# Altium PCB Display_PCB.PcbDoc (part 3 of 3)
Units mil, origin at the board's own origin, x right, y up, seen from the top; angles counter-clockwise.
Board outline 5600 x 4000 mil, 4 copper layers (Top Layer, Plane(Gnd), Plane(PWR), Bottom Layer), stack 23.756 mil thick; 312 components, 321 nets, 831 pads, 288 vias.
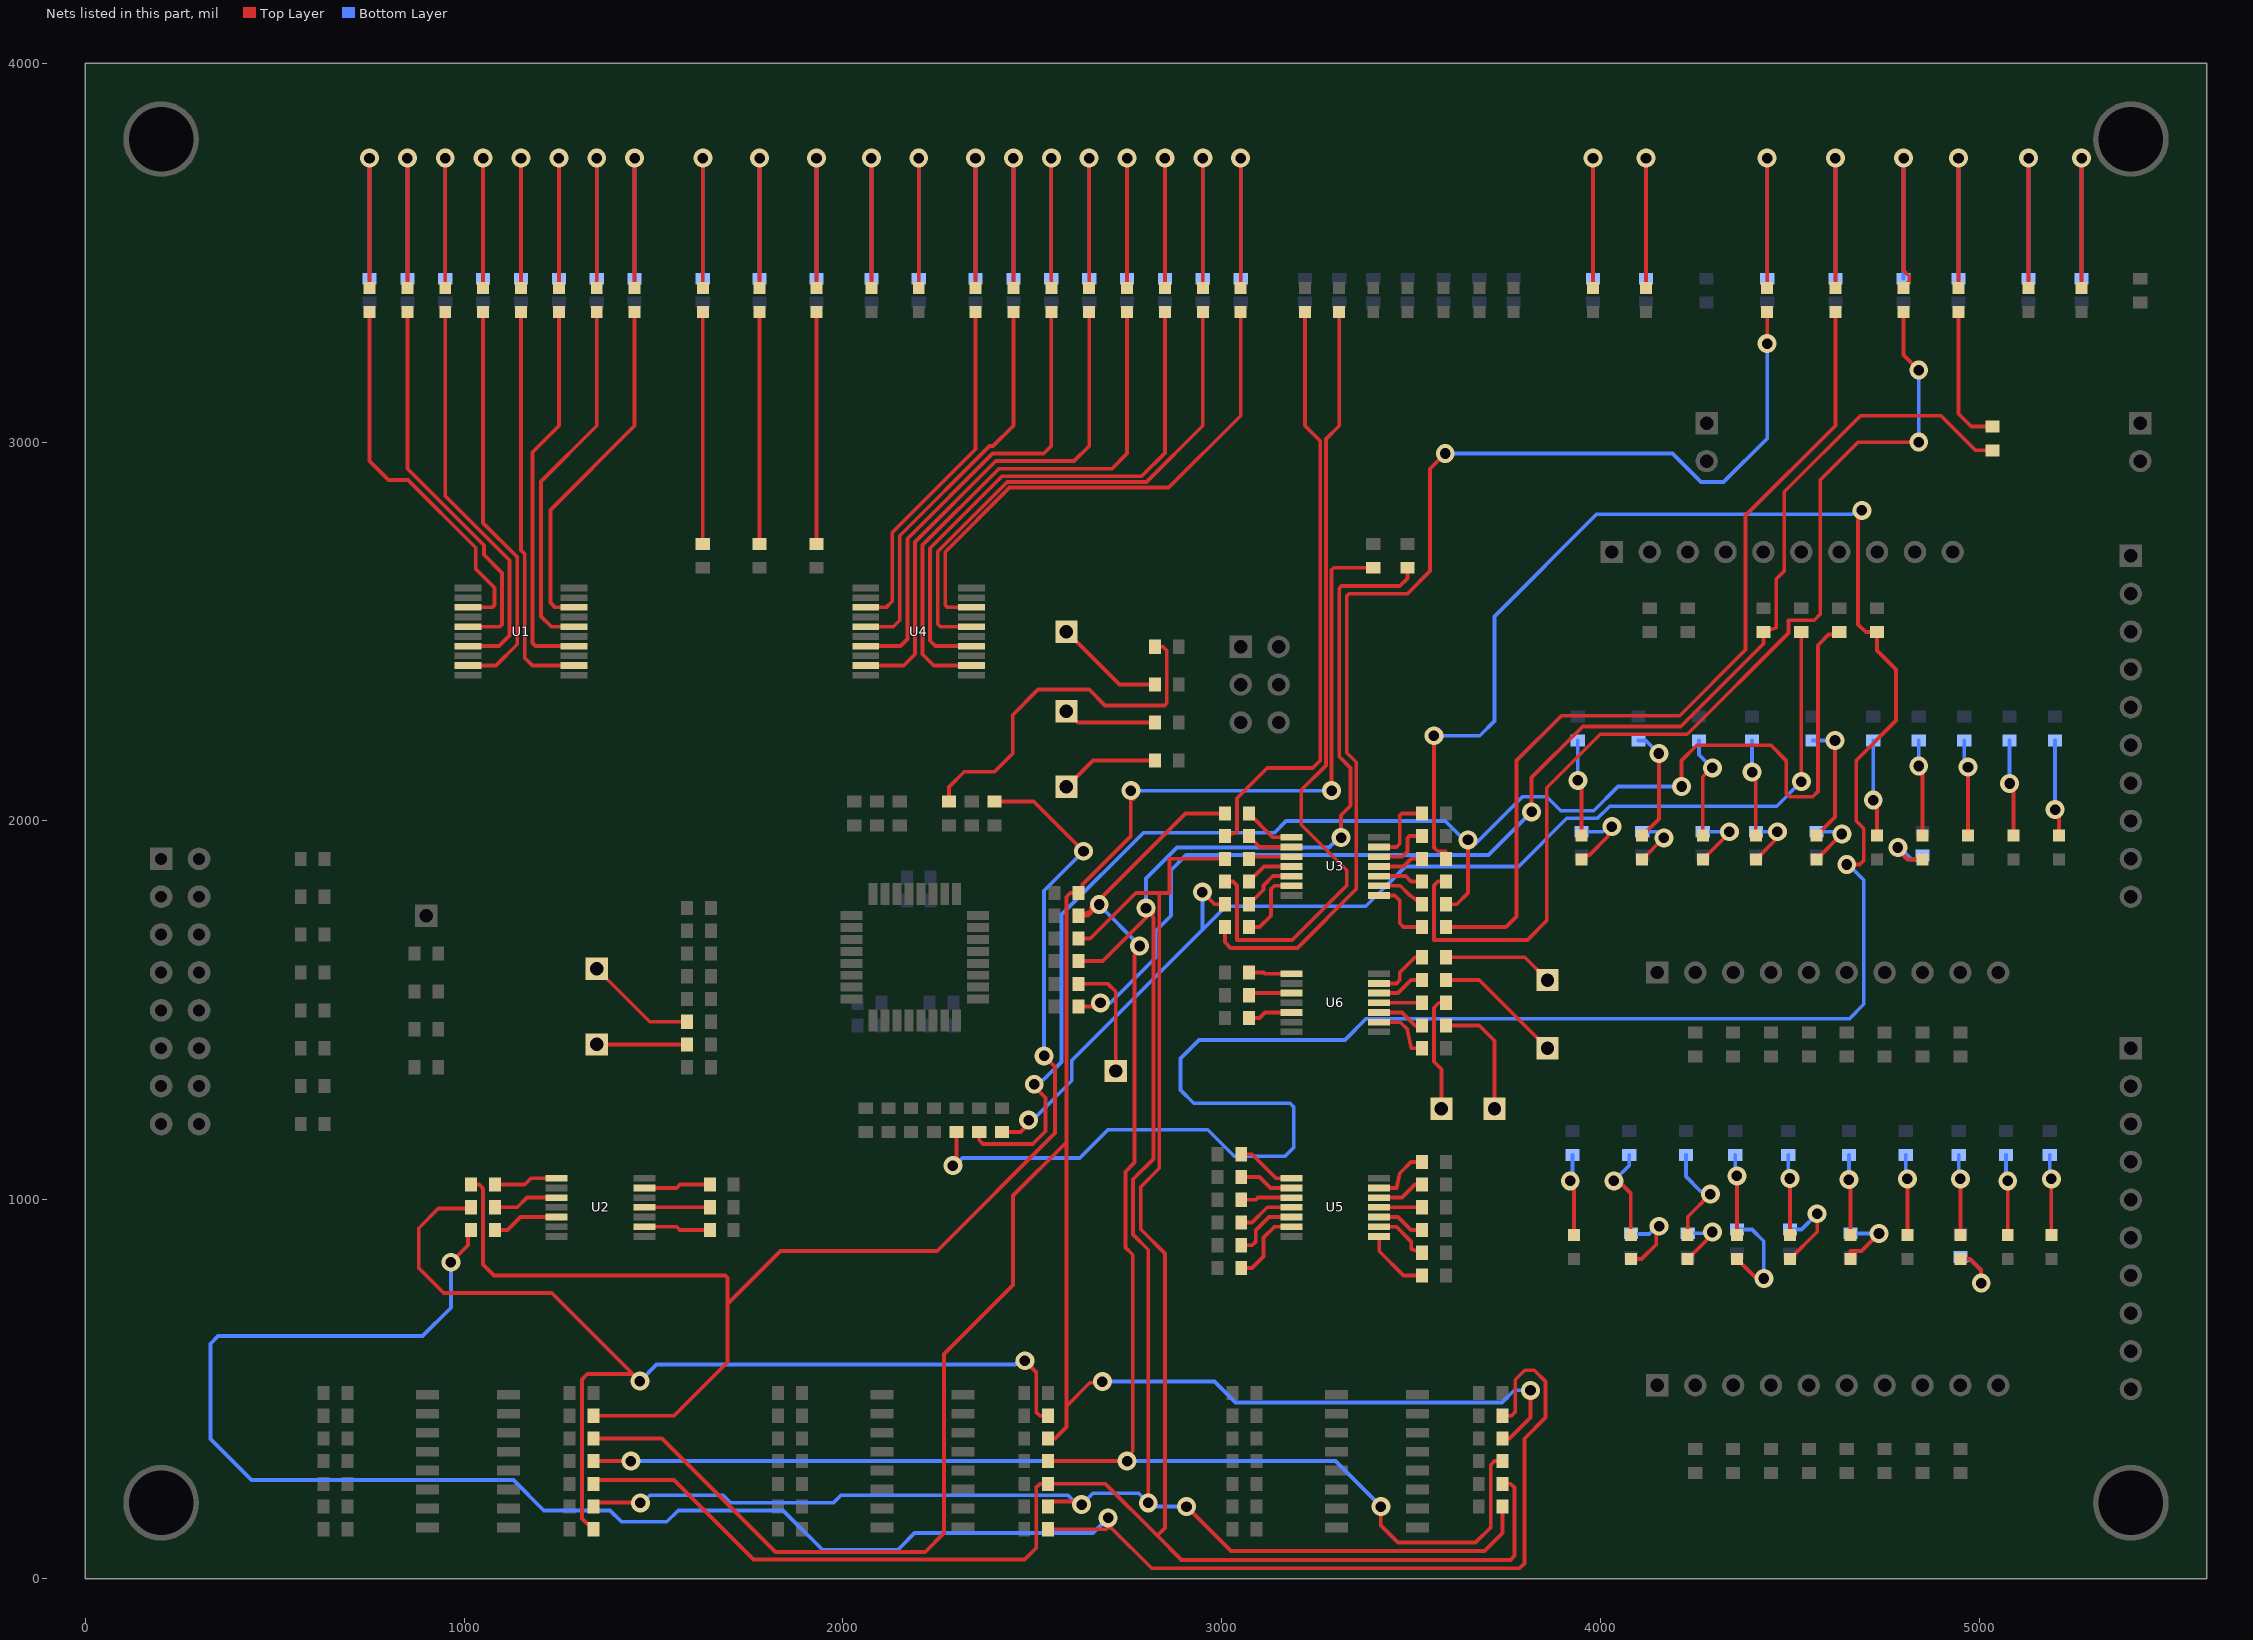
[diagram p5: the nets of this part, all layers, seen from the top]

## Via types
v1: diameter 50, hole 28, Top Layer to Bottom Layer, 288 vias

## Nets (pads, with @x,y where several pads share a name; then routed paths per layer and width w, separated by ;. In a path a pad name is that pad's centre, name@x,y a point inside that pad or via, vN(x,y) a via of type N, cw(c..) or ccw(c..) an arc to the next point about the centre after c; other vN are vias at no path point) (continued)
NetLED8_2: LED8.2 R123.1 | length 662
  Top Layer w10: LED8.2@3980,3406.5 v1(3980,3750)
  Bottom Layer w10: R123.1@3980,3431.5 v1(3980,3750)
NetLED9_2: LED9.2 R124.1 | length 662
  Top Layer w10: LED9.2@4120,3406.5 v1(4120,3750)
  Bottom Layer w10: R124.1@4120,3431.5 v1(4120,3750)
NetLED10_2: LED10.2 R125.1 | length 662
  Top Layer w10: LED10.2@4440,3406.5 v1(4440,3750)
  Bottom Layer w10: R125.1@4440,3431.5 v1(4440,3750)
NetLED11_2: LED11.2 R126.1 | length 662
  Top Layer w10: LED11.2@4620,3406.5 v1(4620,3750)
  Bottom Layer w10: R126.1@4620,3431.5 v1(4620,3750)
NetLED12_2: LED12.2 R127.1 | length 674.4
  Top Layer w10: LED12.2@4800,3406.5 4810.75,3417.24 4810.75,3421.03 4815,3425.28 4815,3438.21 4800,3453.21 v1(4800,3750)
  Bottom Layer w10: R127.1@4800,3431.5 v1(4800,3750)
NetLED13_1: LED13.1 R147.2 | length 372.4
  Top Layer w10: LED13.1@4945,3343.5 4945,3075 4978.5,3041.5 R147.2@5035,3041.5
NetLED13_2: LED13.2 R128.1 | length 666.2
  Top Layer w10: v1@4940,3750 4945,3745 LED13.2@4945,3406.5
  Bottom Layer w10: v1@4940,3750 4945,3745 R128.1@4945,3431.5
  other v1: 4945,3750
NetLED14_1: LED14.1 R142.2 | length 612
  Top Layer w10: R142.2@1930,2731.5 LED14.1@1930,3343.5
NetLED14_2: LED14.2 R129.1 | length 662
  Top Layer w10: LED14.2@1930,3406.5 v1(1930,3750)
  Bottom Layer w10: R129.1@1930,3431.5 v1(1930,3750)
NetLED15_1: LED15.1 R143.2 | length 612
  Top Layer w10: R143.2@1630,2731.5 LED15.1@1630,3343.5
NetLED15_2: LED15.2 R130.1 | length 662
  Top Layer w10: LED15.2@1630,3406.5 v1(1630,3750)
  Bottom Layer w10: R130.1@1630,3431.5 v1(1630,3750)
NetLED16_1: LED16.1 R145.2 | length 612
  Top Layer w10: R145.2@1780,2731.5 LED16.1@1780,3343.5
NetLED16_2: LED16.2 R131.2 | length 662
  Top Layer w10: LED16.2@1780,3406.5 v1(1780,3750)
  Bottom Layer w10: R131.2@1780,3431.5 v1(1780,3750)
NetLED17_2: LED17.2 R132.1 | length 666.2
  Top Layer w10: LED17.2@2075,3406.5 2075,3745 v1@2080,3750
  Bottom Layer w10: R132.1@2075,3431.5 2075,3745 v1@2080,3750
  other v1: 2075,3750
NetLED18_1: LED18.1 U1.18 | length 926.6
  Top Layer w10: U1.18@1289.76,2563.98 1240,2563.98 1227.59,2576.39 1227.59,2821.09 1450,3043.5 LED18.1@1450,3343.5
NetLED18_2: LED18.2 R134.1 | length 662
  Top Layer w10: LED18.2@1450,3406.5 v1(1450,3750)
  Bottom Layer w10: R134.1@1450,3431.5 v1(1450,3750)
NetLED19_1: LED19.1 U1.16 | length 962.3
  Top Layer w10: U1.16@1289.76,2512.8 1230.27,2512.8 1203.06,2540 1203.06,2896.57 1350,3043.5 LED19.1@1350,3343.5
NetLED19_2: LED19.2 R135.1 | length 662
  Top Layer w10: LED19.2@1350,3406.5 v1(1350,3750)
  Bottom Layer w10: R135.1@1350,3431.5 v1(1350,3750)
NetLED20_1: LED20.1 U1.14 | length 1015.7
  Top Layer w10: LED20.1@1250,3343.5 1250,3043.5 1180,2973.5 1180,2470 1188.39,2461.61 U1.14@1289.76,2461.61
NetLED20_2: LED20.2 R136.1 | length 662
  Top Layer w10: LED20.2@1250,3406.5 1250,3431.5 v1(1250,3750)
  Bottom Layer w10: R136.1@1250,3431.5 v1(1250,3750)
NetLED21_1: LED21.1 U1.12 | length 1055.3
  Top Layer w10: LED21.1@1150,3343.5 1150,2714.85 1160,2704.85 1160,2430.43 1180,2410.43 U1.12@1289.76,2410.43
NetLED21_2: LED21.2 R137.1 | length 662
  Top Layer w10: LED21.2@1150,3406.5 v1(1150,3750)
  Bottom Layer w10: R137.1@1150,3431.5 v1(1150,3750)
NetLED22_1: LED22.1 U1.9 | length 1067.2
  Top Layer w10: U1.9@1010.24,2410.43 1083.86,2410.43 1140,2466.57 1140,2696.57 1050,2786.57 LED22.1@1050,3343.5
NetLED22_2: LED22.2 R138.1 | length 662
  Top Layer w10: LED22.2@1050,3406.5 v1(1050,3750)
  Bottom Layer w10: R138.1@1050,3431.5 v1(1050,3750)
NetLED23_1: LED23.1 U1.7 | length 1045.4
  Top Layer w10: LED23.1@950,3343.5 950,2858.28 1120,2688.28 1120,2490 1091.61,2461.61 U1.7@1010.24,2461.61
NetLED23_2: LED23.2 R139.1 | length 662
  Top Layer w10: LED23.2@950,3406.5 v1(950,3750)
  Bottom Layer w10: R139.1@950,3431.5 v1(950,3750)
NetLED24_1: LED24.1 U1.5 | length 1020.6
  Top Layer w10: LED24.1@850,3343.5 850,2930 1052.01,2727.99 1052.01,2702.72 1100,2654.73 1100,2518.65 1094.14,2512.8 U1.5@1010.24,2512.8
NetLED24_2: LED24.2 R140.1 | length 662
  Top Layer w10: LED24.2@850,3406.5 v1(850,3750)
  Bottom Layer w10: R140.1@850,3431.5 v1(850,3750)
NetLED25_1: LED25.1 U1.3 | length 1012.8
  Top Layer w10: LED25.1@750,3343.5 750,2950 800,2900 851.72,2900 1030.62,2721.1 1030.62,2665 1080,2615.62 1080,2569.83 1074.14,2563.98 U1.3@1010.24,2563.98
NetLED25_2: LED25.2 R141.1 | length 662
  Top Layer w10: LED25.2@750,3406.5 v1(750,3750)
  Bottom Layer w10: R141.1@750,3431.5 v1(750,3750)
NetLED26_2: LED26.2 R133.1 | length 662
  Top Layer w10: LED26.2@2200,3406.5 v1(2200,3750)
  Bottom Layer w10: R133.1@2200,3431.5 v1(2200,3750)
NetLED27_2: LED27.2 R149.1 | length 662
  Top Layer w10: LED27.2@5270,3406.5 v1(5270,3750)
  Bottom Layer w10: R149.1@5270,3431.5 v1(5270,3750)
NetLED28_2: LED28.2 R150.2 | length 662
  Top Layer w10: LED28.2@5130,3406.5 v1(5130,3750)
  Bottom Layer w10: R150.2@5130,3431.5 v1(5130,3750)
NetLED29_2: LED29.2 R153.1 | length 218.5
  Top Layer w10: v1(3920,1050) 3920,1039.18 3930,1029.18 LED29.2@3930,906.5
  Bottom Layer w10: v1(3920,1050) 3925.75,1055.75 R153.1@3925.75,1118.5
NetLED30_1: LED30.1 R174.2 | length 217.5
  Top Layer w10: LED30.1@4080,843.5 4108.5,843.5 4146.85,881.85 4146.85,922.35 v1(4154.5,930)
  Bottom Layer w10: R174.2@4080,911.5 4081.57,909.92 4128.64,909.92 4148.72,930 v1(4154.5,930)
NetLED30_2: LED30.2 R154.1 | length 254.4
  Top Layer w10: v1(4035,1050) 4045.82,1050 4058.23,1037.59 4059.16,1037.59 4080,1016.75 LED30.2@4080,906.5
  Bottom Layer w10: v1(4035,1050) 4075.75,1090.75 R154.1@4075.75,1118.5
NetLED31_1: LED31.1 R175.2 | length 164.9
  Top Layer w10: LED31.1@4230,843.5 4295,908.5 v1(4295,915)
  Bottom Layer w10: R175.2@4230,911.5 4291.5,911.5 v1(4295,915)
NetLED31_2: LED31.2 R155.1 | length 274.2
  Top Layer w10: LED31.2@4230,906.5 4230,955 v1(4290,1015)
  Bottom Layer w10: R155.1@4225.75,1118.5 4225.75,1061 4264.09,1022.65 4282.35,1022.65 v1(4290,1015)
NetLED32_1: LED32.1 R176.2 | length 274.7
  Top Layer w10: LED32.1@4360,843.5 4411.5,792 v1(4431,792)
  Bottom Layer w10: R176.2@4360,921.5 4400,921.5 4431,890.5 v1(4431,792)
NetLED32_2: LED32.2 R156.1 | length 213.8
  Top Layer w10: LED32.2@4360,906.5 v1(4360,1063.25)
  Bottom Layer w10: R156.1@4355.75,1118.5 4355.75,1067.5 v1(4360,1063.25)
NetLED33_1: LED33.1 R179.2 | length 238.5
  Top Layer w10: LED33.1@4500,843.5 4572,915.5 v1(4572,963)
  Bottom Layer w10: R179.2@4500,921.5 4530.5,921.5 v1(4572,963)
NetLED33_2: LED33.2 R157.1 | length 213.8
  Top Layer w10: LED33.2@4500,906.5 v1(4500,1056)
  Bottom Layer w10: R157.1@4495.75,1118.5 4495.75,1060.25 v1(4500,1056)
NetLED34_1: LED34.1 R182.2 | length 191
  Top Layer w10: LED34.1@4660,843.5 4660,865 4689,865 v1(4735,911)
  Bottom Layer w10: R182.2@4660,911.5 4660,911 v1(4735,911)
NetLED34_2: LED34.2 R158.1 | length 213.8
  Top Layer w10: v1(4655.75,1053) 4660,1048.75 LED34.2@4660,906.5
  Bottom Layer w10: v1(4655.75,1053) R158.1@4655.75,1118.5
NetLED35_2: LED35.2 R159.1 | length 213.8
  Top Layer w10: LED35.2@4810,906.5 v1(4810,1055)
  Bottom Layer w10: R159.1@4805.75,1118.5 4805.75,1059.25 v1(4810,1055)
NetLED36_1: LED36.1 R187.2 | length 203.9
  Top Layer w10: LED36.1@4950,843.5 4975,843.5 5004.36,814.14 5004.36,780.64 v1(5005,780)
  Bottom Layer w10: R187.2@4950,848.5 4957.83,840.67 4977.83,840.67 5004.36,814.14 5004.36,780.64 v1(5005,780)
NetLED36_2: LED36.2 R160.1 | length 213.8
  Top Layer w10: LED36.2@4950,906.5 v1(4950,1055)
  Bottom Layer w10: R160.1@4945.75,1118.5 4945.75,1059.25 v1(4950,1055)
NetLED37_2: LED37.2 R161.1 | length 213.8
  Top Layer w10: LED37.2@5075,906.5 v1(5075,1050)
  Bottom Layer w10: R161.1@5070.75,1118.5 5070.75,1054.25 v1(5075,1050)
NetLED38_2: LED38.2 R162.1 | length 213.8
  Top Layer w10: LED38.2@5190,906.5 v1(5190,1055)
  Bottom Layer w10: R162.1@5185.75,1118.5 5185.75,1059.25 v1(5190,1055)
NetLED39_1: LED39.1 U4.18 | length 1415
  Top Layer w10: U4.18@2339.76,2563.98 2275.86,2563.98 2270,2569.83 2270,2710 2440,2880 2860,2880 3050,3070 LED39.1@3050,3343.5
NetLED39_2: LED39.2 R166.1 | length 662
  Top Layer w10: LED39.2@3050,3406.5 v1(3050,3750)
  Bottom Layer w10: R166.1@3050,3431.5 v1(3050,3750)
NetLED40_1: LED40.1 U4.16 | length 1421.6
  Top Layer w10: U4.16@2339.76,2512.8 2257.2,2512.8 2250,2520 2250,2711.21 2433.79,2895 2801.5,2895 2950,3043.5 LED40.1@2950,3343.5
NetLED40_2: LED40.2 R167.1 | length 662
  Top Layer w10: LED40.2@2950,3406.5 v1(2950,3750)
  Bottom Layer w10: R167.1@2950,3431.5 v1(2950,3750)
NetLED41_1: LED41.1 U4.14 | length 1455.8
  Top Layer w10: U4.14@2339.76,2461.61 2244.24,2461.61 2230,2475.86 2230,2720 2420,2910 2788.21,2910 2850,2971.79 LED41.1@2850,3343.5
NetLED41_2: LED41.2 R168.1 | length 662
  Top Layer w10: LED41.2@2850,3406.5 v1(2850,3750)
  Bottom Layer w10: R168.1@2850,3431.5 v1(2850,3750)
NetLED42_1: LED42.1 U4.12 | length 1443.9
  Top Layer w10: U4.12@2339.76,2410.43 2239.57,2410.43 2210,2440 2210,2728.28 2411.72,2930 2710,2930 2750,2970 LED42.1@2750,3343.5
NetLED42_2: LED42.2 R169.1 | length 662
  Top Layer w10: LED42.2@2750,3406.5 v1(2750,3750)
  Bottom Layer w10: R169.1@2750,3431.5 v1(2750,3750)
NetLED43_1: LED43.1 U4.9 | length 1357.1
  Top Layer w10: U4.9@2060.24,2410.43 2160.43,2410.43 2190,2440 2190,2736.57 2403.43,2950 2610,2950 2650,2990 LED43.1@2650,3343.5
NetLED43_2: LED43.2 R170.1 | length 662
  Top Layer w10: LED43.2@2650,3406.5 v1(2650,3750)
  Bottom Layer w10: R170.1@2650,3431.5 v1(2650,3750)
NetLED44_1: LED44.1 U4.7 | length 1217.3
  Top Layer w10: U4.7@2060.24,2461.61 2151.61,2461.61 2170,2480 2170,2744.85 2395.15,2970 2530,2970 2550,2990 LED44.1@2550,3343.5
NetLED44_2: LED44.2 R171.1 | length 662
  Top Layer w10: LED44.2@2550,3406.5 v1(2550,3750)
  Bottom Layer w10: R171.1@2550,3431.5 v1(2550,3750)
NetLED45_1: LED45.1 U4.5 | length 1040.3
  Top Layer w10: U4.5@2060.24,2512.8 2132.8,2512.8 2150,2530 2150,2753.14 2386.86,2990 2396.5,2990 2450,3043.5 LED45.1@2450,3343.5
NetLED45_2: LED45.2 R172.1 | length 662
  Top Layer w10: LED45.2@2450,3406.5 v1(2450,3750)
  Bottom Layer w10: R172.1@2450,3431.5 v1(2450,3750)
NetLED46_1: LED46.1 U4.3 | length 931
  Top Layer w10: U4.3@2060.24,2563.98 2113.98,2563.98 2130,2580 2130,2761.42 2350,2981.42 LED46.1@2350,3343.5
NetLED46_2: LED46.2 R173.1 | length 662
  Top Layer w10: LED46.2@2350,3406.5 v1(2350,3750)
  Bottom Layer w10: R173.1@2350,3431.5 v1(2350,3750)
NetLED47_1: LED47.1 R214.2 | length 210.2
  Top Layer w10: LED47.1@3950,1898.5 3960.75,1909.25 3969.25,1909.25 4019.22,1959.22 4019.22,1963.39 4030,1974.18 v1(4030,1985)
  Bottom Layer w10: R214.2@3950,1971.5 4005.67,1971.5 4019.18,1985 v1(4030,1985)
NetLED47_2: LED47.2 R192.1 | length 255.2
  Top Layer w10: v1(3940,2107) 3950,2097 LED47.2@3950,1961.5
  Bottom Layer w10: v1(3940,2107) R192.1@3940,2212.5
NetLED48_1: LED48.1 R215.2 | length 144.2
  Top Layer w10: LED48.1@4110,1898.5 v1(4167,1955.5)
  Bottom Layer w10: R215.2@4110,1971.5 4151,1971.5 v1(4167,1955.5)
NetLED48_2: LED48.2 R193.1 | length 303
  Top Layer w10: LED48.2@4110,1961.5 4154,2005.5 v1(4154,2178)
  Bottom Layer w10: R193.1@4100,2212.5 4119.5,2212.5 v1(4154,2178)
NetLED49_1: LED49.1 R216.2 | length 172
  Top Layer w10: LED49.1@4270,1898.5 4340,1968.5 v1(4340,1971.5)
  Bottom Layer w10: R216.2@4270,1971.5 v1(4340,1971.5)
NetLED49_2: LED49.2 R194.1 | length 276.9
  Top Layer w10: LED49.2@4270,1961.5 4270,2116.72 4293.28,2140 v1(4295,2140)
  Bottom Layer w10: R194.1@4260,2212.5 4260,2175 v1(4295,2140)
NetLED50_1: LED50.1 R217.2 | length 153.6
  Top Layer w10: LED50.1@4410,1898.5 4467,1955.5 v1(4467,1971.5)
  Bottom Layer w10: R217.2@4410,1971.5 v1(4467,1971.5)
NetLED50_2: LED50.2 R195.1 | length 255.2
  Top Layer w10: v1(4400,2129) 4410,2119 LED50.2@4410,1961.5
  Bottom Layer w10: v1(4400,2129) R195.1@4400,2212.5
NetLED51_1: LED51.1 R218.2 | length 164.2
  Top Layer w10: LED51.1@4570,1898.5 v1(4637,1965.5)
  Bottom Layer w10: R218.2@4570,1971.5 4631,1971.5 v1(4637,1965.5)
NetLED51_2: LED51.2 R196.1 | length 330.3
  Top Layer w10: LED51.2@4570,1961.5 4619,2010.5 v1(4619,2212.5)
  Bottom Layer w10: R196.1@4560,2212.5 v1(4619,2212.5)
NetLED52_2: LED52.2 R197.1 | length 255.2
  Top Layer w10: v1(4720,2055) 4730,2045 LED52.2@4730,1961.5
  Bottom Layer w10: v1(4720,2055) R197.1@4720,2212.5
NetLED53_1: LED53.1 R221.2 | length 164
  Top Layer w10: v1(4785,1930) 4785,1923.5 4810,1898.5 LED53.1@4850,1898.5
  Bottom Layer w10: v1(4785,1930) 4789.36,1930 4820.86,1898.5 4840,1898.5 R221.2@4850,1908.5
NetLED53_2: LED53.2 R198.1 | length 255.2
  Top Layer w10: v1(4840,2145) 4840,2134.18 4850,2124.18 LED53.2@4850,1961.5
  Bottom Layer w10: v1(4840,2145) R198.1@4840,2212.5
NetLED54_2: LED54.2 R199.1 | length 255.2
  Top Layer w10: LED54.2@4970,1961.5 v1(4970,2142)
  Bottom Layer w10: R199.1@4960,2212.5 4960,2152 v1(4970,2142)
NetLED55_2: LED55.2 R200.1 | length 255.2
  Top Layer w10: v1(5080,2099) 5090,2089 LED55.2@5090,1961.5
  Bottom Layer w10: v1(5080,2099) R200.1@5080,2212.5
NetLED56_2: LED56.2 R201.1 | length 255.2
  Top Layer w10: v1(5200,2030) 5210,2020 LED56.2@5210,1961.5
  Bottom Layer w10: v1(5200,2030) R201.1@5200,2212.5
NetR4_1: R4.1 TP2.1 | length 291.5
  Top Layer w10: TP2.1@2590,2500 2730,2360 R4.1@2823.5,2360
NetR5_2: R5.2 TP3.1 | length 262.5
  Top Layer w10: TP3.1@2590,2090 2660,2160 R5.2@2823.5,2160
NetR8_1: R8.1 TP4.1 | length 245.9
  Top Layer w10: TP4.1@2590,2290 2620,2260 R8.1@2823.5,2260
NetR34_2: R34.2 TP5.1 | length 316.8
  Top Layer w10: R34.2@2621.5,1570 2700,1570 2720,1550 TP5.1@2720,1340
NetR36_1: R36.1 TP6.1 | length 296.5
  Top Layer w10: TP6.1@1350,1610 1490,1470 R36.1@1588.5,1470
NetR38_1: R38.1 TP7.1 | length 238.5
  Top Layer w10: TP7.1@1350,1410 R38.1@1588.5,1410
NetR148_2: R148.2 U2.1 | length 169.8
  Top Layer w10: R148.2@1081.5,1040 1160,1040 1176.77,1056.77 U2.1@1244.33,1056.77
NetR151_2: R151.2 U2.3 | length 173.4
  Top Layer w10: R151.2@1081.5,980 1140,980 1165.59,1005.59 U2.3@1244.33,1005.59
NetR152_2: R152.2 U2.5 | length 177.1
  Top Layer w10: R152.2@1081.5,920 1114.41,920 1148.82,954.41 U2.5@1244.33,954.41
NetR163_2: R163.2 U2.9 | length 176.5
  Top Layer w10: U2.9@1475.67,928.82 1561.18,928.82 1570,920 R163.2@1648.5,920
NetR164_2: R164.2 U2.11 | length 172.8
  Top Layer w10: U2.11@1475.67,980 R164.2@1648.5,980
NetR165_2: R165.2 U2.13 | length 176.5
  Top Layer w10: U2.13@1475.67,1031.18 1561.18,1031.18 1570,1040 R165.2@1648.5,1040
NetR177_2: R177.2 U3.1 | length 139
  Top Layer w10: R177.2@3071.5,2020 3134.72,1956.77 U3.1@3184.33,1956.77
NetR178_1: R178.1 U3.2 | length 124.8
  Top Layer w10: R178.1@3071.5,1960 3100.31,1931.18 U3.2@3184.33,1931.18
NetR180_2: R180.2 U3.3 | length 115.1
  Top Layer w10: R180.2@3071.5,1900 3077.09,1905.59 U3.3@3184.33,1905.59
NetR181_1: R181.1 U3.4 | length 129.4
  Top Layer w10: R181.1@3071.5,1840 3111.5,1880 U3.4@3184.33,1880
NetR183_2: R183.2 U3.5 | length 150.4
  Top Layer w10: R183.2@3071.5,1780 3110,1818.5 3110,1830 3134.41,1854.41 U3.5@3184.33,1854.41
NetR184_1: R184.1 U3.6 | length 198.9
  Top Layer w10: R184.1@3071.5,1720 3100,1720 3130,1750 3130,1820 3138.82,1828.82 U3.6@3184.33,1828.82
NetR185_2: R185.2 U3.9 | length 131
  Top Layer w10: U3.9@3415.67,1828.82 3471.18,1828.82 3495.86,1804.14 R185.2@3528.5,1780
NetR186_1: R186.1 U3.8 | length 182.5
  Top Layer w10: U3.8@3415.67,1803.23 3456.77,1803.23 3470,1790 3470,1730 3480,1720 R186.1@3528.5,1720
NetR188_2: R188.2 U3.11 | length 121.1
  Top Layer w10: U3.11@3415.67,1880 3480,1880 3500,1900 R188.2@3528.5,1900
NetR189_1: R189.1 U3.10 | length 118.8
  Top Layer w10: U3.10@3415.67,1854.41 3485.59,1854.41 3500,1840 R189.1@3528.5,1840
NetR190_2: R190.2 U3.13 | length 193.1
  Top Layer w10: U3.13@3415.67,1931.18 3461.18,1931.18 3470,1940 3470,2014.14 3475.86,2020 R190.2@3528.5,2020
NetR191_1: R191.1 U3.12 | length 155.4
  Top Layer w10: U3.12@3415.67,1905.59 3475.59,1905.59 3490,1920 3490,1954.14 3495.86,1960 R191.1@3528.5,1960
NetR202_2: R202.2 U5.1 | length 159
  Top Layer w10: R202.2@3051.5,1120 3080,1120 3143.23,1056.77 U5.1@3184.33,1056.77
NetR203_1: R203.1 U5.2 | length 144.8
  Top Layer w10: R203.1@3051.5,1060 3100,1060 3128.82,1031.18 U5.2@3184.33,1031.18
NetR204_2: R204.2 U5.3 | length 135.1
  Top Layer w10: R204.2@3051.5,1000 3090,1000 3095.59,1005.59 U5.3@3184.33,1005.59
NetR205_1: R205.1 U5.4 | length 149.4
  Top Layer w10: R205.1@3051.5,940 3080,940 3120,980 U5.4@3184.33,980
NetR206_2: R206.2 U5.5 | length 181.2
  Top Layer w10: R206.2@3051.5,880 3080,880 3090,890 3090,920 3124.41,954.41 U5.5@3184.33,954.41
NetR207_1: R207.1 U5.6 | length 207.2
  Top Layer w10: R207.1@3051.5,820 3080,820 3110,850 3110,900 3138.82,928.82 U5.6@3184.33,928.82
NetR208_2: R208.2 U5.9 | length 150.6
  Top Layer w10: U5.9@3415.67,928.82 3461.18,928.82 3500,890 3500,870 R208.2@3528.5,860
NetR209_1: R209.1 U5.8 | length 178.6
  Top Layer w10: U5.8@3415.67,903.23 3415.67,900 3416,900 3416,864 3480,800 R209.1@3528.5,800
NetR210_2: R210.2 U5.11 | length 112.8
  Top Layer w10: U5.11@3415.67,980 R210.2@3528.5,980
NetR211_1: R211.1 U5.10 | length 127.1
  Top Layer w10: U5.10@3415.67,954.41 3465.59,954.41 3500,920 R211.1@3528.5,920
NetR212_2: R212.2 U5.13 | length 156.2
  Top Layer w10: U5.13@3415.67,1031.18 3461.18,1031.18 3470,1070 3500,1100 R212.2@3528.5,1100
NetR213_1: R213.1 U5.12 | length 127.1
  Top Layer w10: U5.12@3415.67,1005.59 3475.59,1005.59 3510,1040 R213.1@3528.5,1040
NetR219_2: R219.2 U6.1 | length 114.2
  Top Layer w10: R219.2@3071.5,1600 3110,1600 3113.23,1596.77 U6.1@3184.33,1596.77
NetR220_2: R220.2 U6.3 | length 115.1
  Top Layer w10: R220.2@3071.5,1540 3077.09,1545.59 U6.3@3184.33,1545.59
NetR222_2: R222.2 U6.5 | length 118.8
  Top Layer w10: R222.2@3071.5,1480 3100,1480 3114.41,1494.41 U6.5@3184.33,1494.41
NetR223_2: R223.2 U6.9 | length 161.6
  Top Layer w10: U6.9@3415.67,1468.82 3471.18,1468.82 3490,1450 3500,1400 R223.2@3528.5,1400
NetR224_1: R224.1 TP8.1 | length 312.2
  Top Layer w10: TP8.1@3580,1240 3580,1344.37 3560,1364.37 3560,1507 3573,1520 R224.1@3591.5,1520
NetR224_2: R224.2 U6.11 | length 112.8
  Top Layer w10: U6.11@3415.67,1520 R224.2@3528.5,1520
NetR225_1: R225.1 U6.10 | length 127.1
  Top Layer w10: U6.10@3415.67,1494.41 3475.59,1494.41 3510,1460 R225.1@3528.5,1460
NetR225_2: R225.2 TP9.1 | length 325.1
  Top Layer w10: R225.2@3591.5,1460 3680,1460 3720,1420 TP9.1@3720,1240
NetR226_1: R226.1 TP10.1 | length 293.4
  Top Layer w10: R226.1@3591.5,1640 3800,1640 TP10.1@3860,1580
NetR226_2: R226.2 U6.13 | length 153.1
  Top Layer w10: U6.13@3415.67,1571.18 3461.18,1571.18 3470,1580 3470,1600 3510,1640 R226.2@3528.5,1640
NetR227_1: R227.1 U6.12 | length 127.1
  Top Layer w10: U6.12@3415.67,1545.59 3465.59,1545.59 3500,1580 R227.1@3528.5,1580
NetR227_2: R227.2 TP11.1 | length 343.1
  Top Layer w10: R227.2@3591.5,1580 3680,1580 TP11.1@3860,1400
nOE: R26.2 R60.1 R87.1 R105.1 R144.1 | length 6765.9
  Top Layer w10: R87.1@1341.5,370 1522,370 1822,70 2217,70 2267,120 2267,593 2449,775 2449,1011 2590,1152 ; R60.1@2541.5,370 2560,370 2590,400 2590,455 ; v1(2685,520) 2681.72,516.72 2651.72,516.72 2590,455 ; v1@2767.82,2057.15 2767.82,2061.13 2767.05,2062.97 v1(2760,2080) 2760,1960 2632.24,1832.24 2632.24,1820.75 R26.2@2621.5,1810 2600,1810 2590,1800 2590,1152 ; v1(3290,2080) 3290,2662.65 3295.86,2668.5 R144.1@3400,2668.5 ; R105.1@3741.5,370 3760,370 3815,425 v1(3815,497) ; 2590,455 2590,1152
  Bottom Layer w10: v1(2685,520) 2981,520 3036,465 3740,465 3772,497 v1(3815,497) ; v1(2760,2080) v1(3290,2080)
RCLK: R28.2 R64.1 R90.1 R108.1 R177.1 | length 5030.9
  Top Layer w10: R90.1@1341.5,310 v1(1440,310) ; R64.1@2541.5,310 v1(2750,310) 2750,320.82 2765,335.82 2765,855 2746,874 2746,1074 2770,1098 2770,1646.18 2783,1659.18 v1(2783,1670) ; v1(2676.5,1779.5) v1@2660.72,1763.72 ; R177.1@3008.5,2020 2904.44,2020 2654.44,1770 v1@2660.72,1763.72 ; v1(3420,190) 3420,140 3465,95 3670,95 3710,135 3710,300 3720,310 R108.1@3741.5,310 ; v1@2660.72,1763.72 2647,1750 R28.2@2621.5,1750 v1@2660.72,1763.72
  Bottom Layer w10: v1(1440,310) v1(2750,310) 3300,310 v1(3420,190) ; v1(2676.5,1779.5) 2676.5,1778 2783,1671.5 v1(2783,1670)
SCLK: R30.2 R68.1 R93.1 R110.1 R180.1 | length 5281.3
  Top Layer w10: R93.1@1341.5,250 1351.5,260 1554,260 1764,50 2480,50 2510,80 2510,240 2520,250 R68.1@2541.5,250 2693,250 2829.64,113.36 ; R30.2@2621.5,1690 2653,1690 2773,1810 2835,1810 ; R180.1@3008.5,1900 2862,1900 2862,1810 2835,1810 ; R110.1@3741.5,250 3763,250 3773,240 3773,60 3762,49 2894,49 2829.64,113.36 ; 2829.64,113.36 2850,133.72 2850,858 2786,922 2786,1034 2835,1083 2835,1810
SCLR: R32.2 R72.1 R96.1 R112.1 R146.1 | length 6127.2
  Top Layer w10: R96.1@1341.5,190 1341.5,190.33 1352.24,201.08 1463.92,201.08 v1(1465,200) ; R72.1@2541.5,190 2541.5,192.95 2552.24,203.7 2610.48,203.7 2619.18,195 v1(2630,195) ; R32.2@2621.5,1630 2686,1630 v1@2818,1762 ; v1(2800,1770) 2810,1770 2820,1760 2817.65,1757.65 2817.65,1746.49 2820,1744.14 2820,1108 2766,1054 2766,908 2806,868 v1(2806,200) ; v1(2907,190) 3024.5,72.5 3693.99,72.5 3741.5,120 R112.1@3741.5,190 ; v1(3315,1956) 3315,2015 3340,2040 3340,2140 3310,2170 3310,2614.14 3315.86,2620 3470,2620 3490,2640 R146.1@3490,2668.5
  Bottom Layer w10: v1(1465,200) 1470.86,200 1490.86,220 1683.29,220 1703.29,200 1975,200 1995,220 2594.18,220 2619.18,195 v1(2630,195) 2660,225 2781,225 v1(2806,200) v1@2801,195 ; v1(2800,1770) 2800,1848 2882,1930 3283.36,1930 3309.36,1956 v1(3315,1956) ; v1@2801,190 v1(2907,190)
SER_Data_0: R22.2 R84.1 R148.1 | length 3671.7
  Top Layer w10: R148.1@1018.5,1040 1040,1040 1050,1030 1050,829 1079,800 1689.14,800 1695,794.14 1695,724.57 ; R84.1@1341.5,430 1554,430 1695,571 1695,724.57 ; R22.2@2400,2051.5 2503.5,2051.5 v1(2635,1920) ; v1(2531,1380) 2560,1351 2560,1176 2249,865 1835.43,865 1695,724.57
  Bottom Layer w10: v1(2531,1380) 2531,1816 v1(2635,1920)
SER_Data_1: R56.1 R107.2 R151.1 | length 2747.1
  Top Layer w10: R151.1@1018.5,980 1015.12,976.61 931.61,976.61 880,925 880,820 946,754 1231,754 1445,540 ; R107.2@1341.5,130 1341.5,132.95 1330.75,143.7 1325.86,143.7 1313.68,155.88 1310.75,158.81 1310.75,508.39 1310.75,525.86 1324.89,540 1445,540 ; v1(1464,521) 1445,540 ; v1(2480,575) 2510,545 2510,440 2520,430 R56.1@2541.5,430
  Bottom Layer w10: v1(1464,521) 1508,565 2454.14,565 2456.49,567.35 2472.35,567.35 v1(2480,575)
SER_Data_2: R80.2 R103.1 R152.1 | length 5768
  Top Layer w10: v1(965,835) 1010,880 1010,911.5 R152.1@1018.5,920 ; R80.2@2541.5,130 2695,130 2700,135 ; v1(2700,160) 2700,135 ; R103.1@3741.5,430 3765,430 3775,440 3775,525 3800,550 3825,550 3855,520 3855,425 3799,369 3799,40 3786,27 2815,27 2707,135 2700,135
  Bottom Layer w10: v1(965,835) 965,715 890,640 350,640 330,620 330,368.43 438.43,260 1130,260 1210,180 1385,180 1415,150 1535,150 1565,180 1841.5,180 1946.5,75 2144.14,75 2150,80.86 ; 2150,80.88 2189.12,120 2660,120 v1(2700,160)
Ser_RCLK: LED1.1 R178.2 | length 1584.5
  Top Layer w10: R178.2@3008.5,1960 3040,1970 3040,2060 3120,2140 3240,2140 3260,2160 3260,3003.5 3220,3043.5 LED1.1@3220,3343.5
Ser_SCLK: LED2.1 R181.2 | length 2133.9
  Top Layer w10: R181.2@3008.5,1840 3030,1840 3040,1830 3040,1686 3186,1686 3330,1830 3330,1870 3210,1990 3210,2081.72 3275,2146.72 3275,3008.5 3310,3043.5 LED2.1@3310,3343.5
SPI_LED_MISO: LED11.1 R186.2 | length 2325.4
  Top Layer w10: R186.2@3591.5,1720 3750,1720 3778,1748 3778,2159.45 3896.55,2278 4209,2278 4383,2452 4383,2806.5 4620,3043.5 LED11.1@4620,3343.5
SPI_LED_MOSI: LED12.1 R189.2 | length 2796.8
  Top Layer w10: R189.2@3591.5,1840 3570,1840 3560,1830 3560,1686 3807,1686 3858,1737 3858,2087.81 3999.19,2229 4229,2229 4496,2496 4496,2530 4564,2530 4580,2546 4580,2900 4680,3000 v1(4840,3000) ; LED12.1@4800,3343.5 4800,3230 v1(4840,3190)
  Bottom Layer w10: v1(4840,3000) v1(4840,3190)
SPI_LED_SCK: LED10.1 R184.2 | length 3077.5
  Top Layer w10: R184.2@3008.5,1720 3008.5,1680 3023.5,1665 3200,1665 3355,1820 3355,2155 3330,2180 3330,2594.14 3335.86,2600 3490,2600 3550,2660 3550,2930 v1(3590,2970) ; v1(4440,3260) LED10.1@4440,3343.5
  Bottom Layer w10: v1(3590,2970) 4190,2970 4265,2895 4325,2895 4440,3010 v1(4440,3260)
SPI_MISO: R39.2 R50.1 R185.1 | length 3926.6
  Top Layer w10: R39.2@2360,1178.5 2360,1157 2370,1147 2501,1147 2535,1181 2535,1269.14 2505,1299.14 v1(2505,1305) ; R185.1@3591.5,1780 3620.38,1780 3650,1809.62 v1(3650,1950) ; v1(4214,2091) 4214,2160 4254,2200 4450,2200 4490,2160 4490,2074 4500,2064 4560,2064 4574,2078 4574,2297 4574,2464 4602.16,2492.16 4623.65,2492.16 R50.1@4630,2498.5
  Bottom Layer w10: v1(2505,1305) 2515.82,1305 2527.61,1316.78 2529.78,1316.78 2577,1364 2577,1753 2793,1969 3139,1969 3170,2000 3590,2000 v1@3645,1945 ; v1(3650,1950) v1@3645,1945 ; v1(4214,2091) 4046,2091 3982,2027 3895,2027 3858,2064 3794,2064 3670,1940 3650,1940 v1@3645,1945
SPI_MOSI: R41.2 R51.1 R188.1 | length 6808.8
  Top Layer w10: v1(2290,1090) 2290,1100.82 2300,1110.82 R41.2@2300,1178.5 ; v1(3560,2225) 3560,1930 3570,1920 3591.5,1920 R188.1@3591.5,1900 ; v1(4650,1885) 4684.14,1885 4695,1895.86 4695,1980 4675,2000 4675,2160 4780,2265 4780,2400 4730,2450 R51.1@4730,2498.5 4700,2498.5 4680,2518.5 4680,2794.14 4682.35,2796.49 4682.35,2812.35 v1(4690,2820)
  Bottom Layer w10: v1(2290,1090) 2295.86,1090 2315.86,1110 2625,1110 2700,1185 2963,1185 3033,1115 3167,1115 3190,1138 3190,1245 3180,1255 2926,1255 2891,1290 2891,1373 2940,1422 3325,1422 3381,1478 4657,1478 4695,1516 4695,1844.14 4654.14,1885 v1(4650,1885) ; v1(3560,2225) 3681.05,2225 3720,2263.95 3720,2540 3990,2810 4664.14,2810 4666.49,2812.35 4682.35,2812.35 v1(4690,2820)
SPI_SCK: R37.2 R49.1 R183.1 | length 3097.1
  Top Layer w10: R37.2@2420,1178.5 2468.5,1178.5 2490,1200 v1(2490,1210) ; v1(2949,1812) 2981,1780 R183.1@3008.5,1780 ; v1(4530,2104) R49.1@4530,2498.5
  Bottom Layer w10: v1(2490,1210) 2500,1210 2604,1314 2604,1368 2949,1713 ; v1(2949,1812) 2949,1713 ; v1(4530,2104) 4465.08,2039.08 4024.08,2039.08 3992,2007 3911,2007 3784,1880 3485,1880 3380,1775 3011,1775 2949,1713
SPI_SS: R35.2 R48.1 R147.1 | length 3475.1
  Top Layer w10: R35.2@2621.5,1510 2670,1510 v1(2680,1520) ; v1(3818,2024) 3818,2114.72 3953.04,2249.76 4211.76,2249.76 4430,2468 R48.1@4430,2498.5 4464,2510 4464,2639 4485,2660 4485,2869.14 4685.86,3070 4898.5,3070 4990,2978.5 R147.1@5035,2978.5
  Bottom Layer w10: v1(2680,1520) 2706,1520 2826,1640 2826,1710 2866,1750 2866,1870 2906,1910 3704,1910 v1(3818,2024)
UPDI: R2.1 R18.2 | length 974.3
  Top Layer w10: R18.2@2280,2051.5 2280,2090 2320,2130 2400,2130 2448,2178 2448,2280 2515,2347 2650,2347 2692,2305 2849.14,2305 2855,2310.86 2855,2450 2845,2460 R2.1@2823.5,2460
pads on no net: B3.9 H3.4

## Polygon pours and split planes (outlines as drawn)
no net on Bottom Layer "NONET_L04_P000" (solid, pour order 0): 5600,4000 0,4000 0,0 5600,0
no net on Top Layer "NONET_L01_P001" (solid, pour order 1): 0,4000 5600,4000 5600,0 0,0
+5 on Plane(PWR) (split plane): 5579.9,20.1 20.1,20.1 20.1,3979.9 5579.9,3979.9
GND on Plane(Gnd) (split plane): 5579.9,20.1 20.1,20.1 20.1,3979.9 5579.9,3979.9

## Silkscreen, mask and mechanical layers (free items; w line width, h text height)
Top Overlay:
  lines w10: 715,3478 1535,3478 1535,3578 715,3578 715,3478 ; 717.5,3595 2282.5,3595 2282.5,3695 717.5,3695 717.5,3595 ; 1550,3478 2285,3478 2285,3578 1550,3578 1550,3478 ; 2300,3590 3135,3590 3135,3475 3815,3475 3815,3695 2300,3695 2300,3590 ; 2302,3478 3122,3478 3122,3578 2302,3578 2302,3478 ; 3828.5,3475 5023.5,3475 5023.5,3575 3828.5,3575 3828.5,3475 ; 3828.5,3589.5 5023.5,3589.5 5023.5,3694.5 3828.5,3694.5 3828.5,3589.5 ; 3850,970 5250,970 5250,1080 3850,1080 3850,970 ; 3850,1095 5250,1095 5250,1205 3850,1205 3850,1095 ; 3850,2060 5250,2060 5250,2170 3850,2170 3850,2060 ; 3850,2185 5250,2185 5250,2295 3850,2295 3850,2185 ; 5039.5,3589.5 5324.5,3589.5 5324.5,3694.5 5039.5,3694.5 5039.5,3589.5 ; 5040,3476 5325,3476 5325,3576 5040,3576 5040,3476
  text "ABS Data Systems, Inc, (c) Copyright 2025" at 1410,3829.99 h60
  text "CPU Bus and Control" at 1190,3630 h40
  text "Shift Register Control" at 2320,3623.33 h40
  text "I2C Bus" at 3920,3620 h40
  text "SPI Bus" at 4560,3620 h40
  text "Power" at 5100,3620 h40
  text "3.3V" at 5060,3510 h40
  text "5V" at 5230,3510 h40
  text "Int" at 1593,3507.5 h40
  text "Rst" at 1733,3506 h40
  text "CS" at 1893,3506 h40
  text "RD" at 2048,3506 h40
  text "WR" at 2173,3506 h40
  text "D7" at 2328,3505 h40
  text "D6" at 2413,3505 h40
  text "D5" at 2508,3505 h40
  text "D4" at 2608,3505 h40
  text "D3" at 2708,3505 h40
  text "D2" at 2808,3505 h40
  text "D1" at 2908,3505 h40
  text "D0" at 3008,3505 h40
  text "D7" at 740,3504 h40
  text "D6" at 825,3504 h40
  text "D5" at 920,3504 h40
  text "D4" at 1020,3504 h40
  text "D3" at 1120,3504 h40
  text "D2" at 1220,3504 h40
  text "D1" at 1320,3504 h40
  text "D0" at 1420,3504 h40
  text "RCLK" at 3240,3500 h40 r90
  text "SCLK" at 3330,3500 h40 r90
  text "nOE" at 3420,3500 h40 r90
  text "SCLR" at 3510,3500 h40 r90
  text "Data0" at 3605,3500 h40 r90
  text "Data1" at 3696.36,3500 h40 r90
  text "Data2" at 3788.3,3500 h40 r90
  text "SDC" at 3920,3500 h40
  text "SDA" at 4070,3500 h40
  text "SCK" at 4380,3500 h40
  text "MISO" at 4536.67,3500 h40
  text "MOSI" at 4726.67,3500 h40
  text "SS" at 4910,3500 h40
  text "LCD1 Data" at 5490,2410 h40 r270
  text "LCD Display Type 2 Interface" at 4014,2220.33 h40
  text "CS1" at 3890,2100 h40
  text "CS2" at 4040,2100 h40
  text "Rst" at 4200,2100 h40
  text "Ins" at 4350,2100 h40
  text "Dat" at 4510,2100 h40
  text "RD" at 4670,2100 h40
  text "WR" at 4790,2100 h40
  text "EN" at 4920,2100 h40
  text "E1" at 5040,2100 h40
  text "E2" at 5150,2100 h40
  text "LCD Display Type 1 Interface" at 4014,1130.33 h40
  text "LCD2 Data" at 5490,1110 h40 r270
  text "Rgt" at 4897,1013.33 h40
  text "Ins" at 3890,1010 h40
  text "Dat" at 4040,1010 h40
  text "RD" at 4200,1010 h40
  text "WR" at 4329,1010 h40
  text "Rst" at 4454,1010 h40
  text "nCE" at 4604,1010 h40
  text "Lft" at 4764,1010 h40
  text "FS" at 5040,1010 h40
  text "E1" at 5160,1010 h40
  text "P/N DISPLAY-32958" at 90,700 h60
  text "Version 1.1" at 90,600 h60
Mechanical 1:
  the board outline again, w10

## Text inside footprints (layer, text, board x,y; h text height)
H2: Top Overlay "1" at 3030,2540 h50 r270; Top Overlay "2" at 3130,2560 h50 r270; Top Overlay "5" at 3030,2195 h50 r270; Top Overlay "6" at 3130,2195 h50 r270
H3: Top Overlay "1" at 4020,2600 h40; Top Overlay "10" at 4900,2600 h40; Top Overlay "5" at 4420,2600 h40
H4: Top Overlay "1" at 5280,2710 h50 r270; Top Overlay "10" at 5280,1830 h50 r270; Top Overlay "5" at 5280,2310 h50 r270
H5: Top Overlay "1" at 4140,390 h40; Top Overlay "10" at 5020,390 h40; Top Overlay "5" at 4540,390 h40
H6: Top Overlay "1" at 4140,1480 h40; Top Overlay "10" at 5020,1480 h40; Top Overlay "5" at 4540,1480 h40
H7: Top Overlay "1" at 5280,1410 h50 r270; Top Overlay "10" at 5280,530 h50 r270; Top Overlay "5" at 5280,1010 h50 r270
J1: Top Overlay "1" at 5505,3040 h40; Top Overlay "2" at 5505,2930 h40
J2: Top Overlay "1" at 4360,3040 h40; Top Overlay "2" at 4360,2930 h40